# Altium PCB 微断从V2.0.PcbDoc (part 1 of 2) (continued)
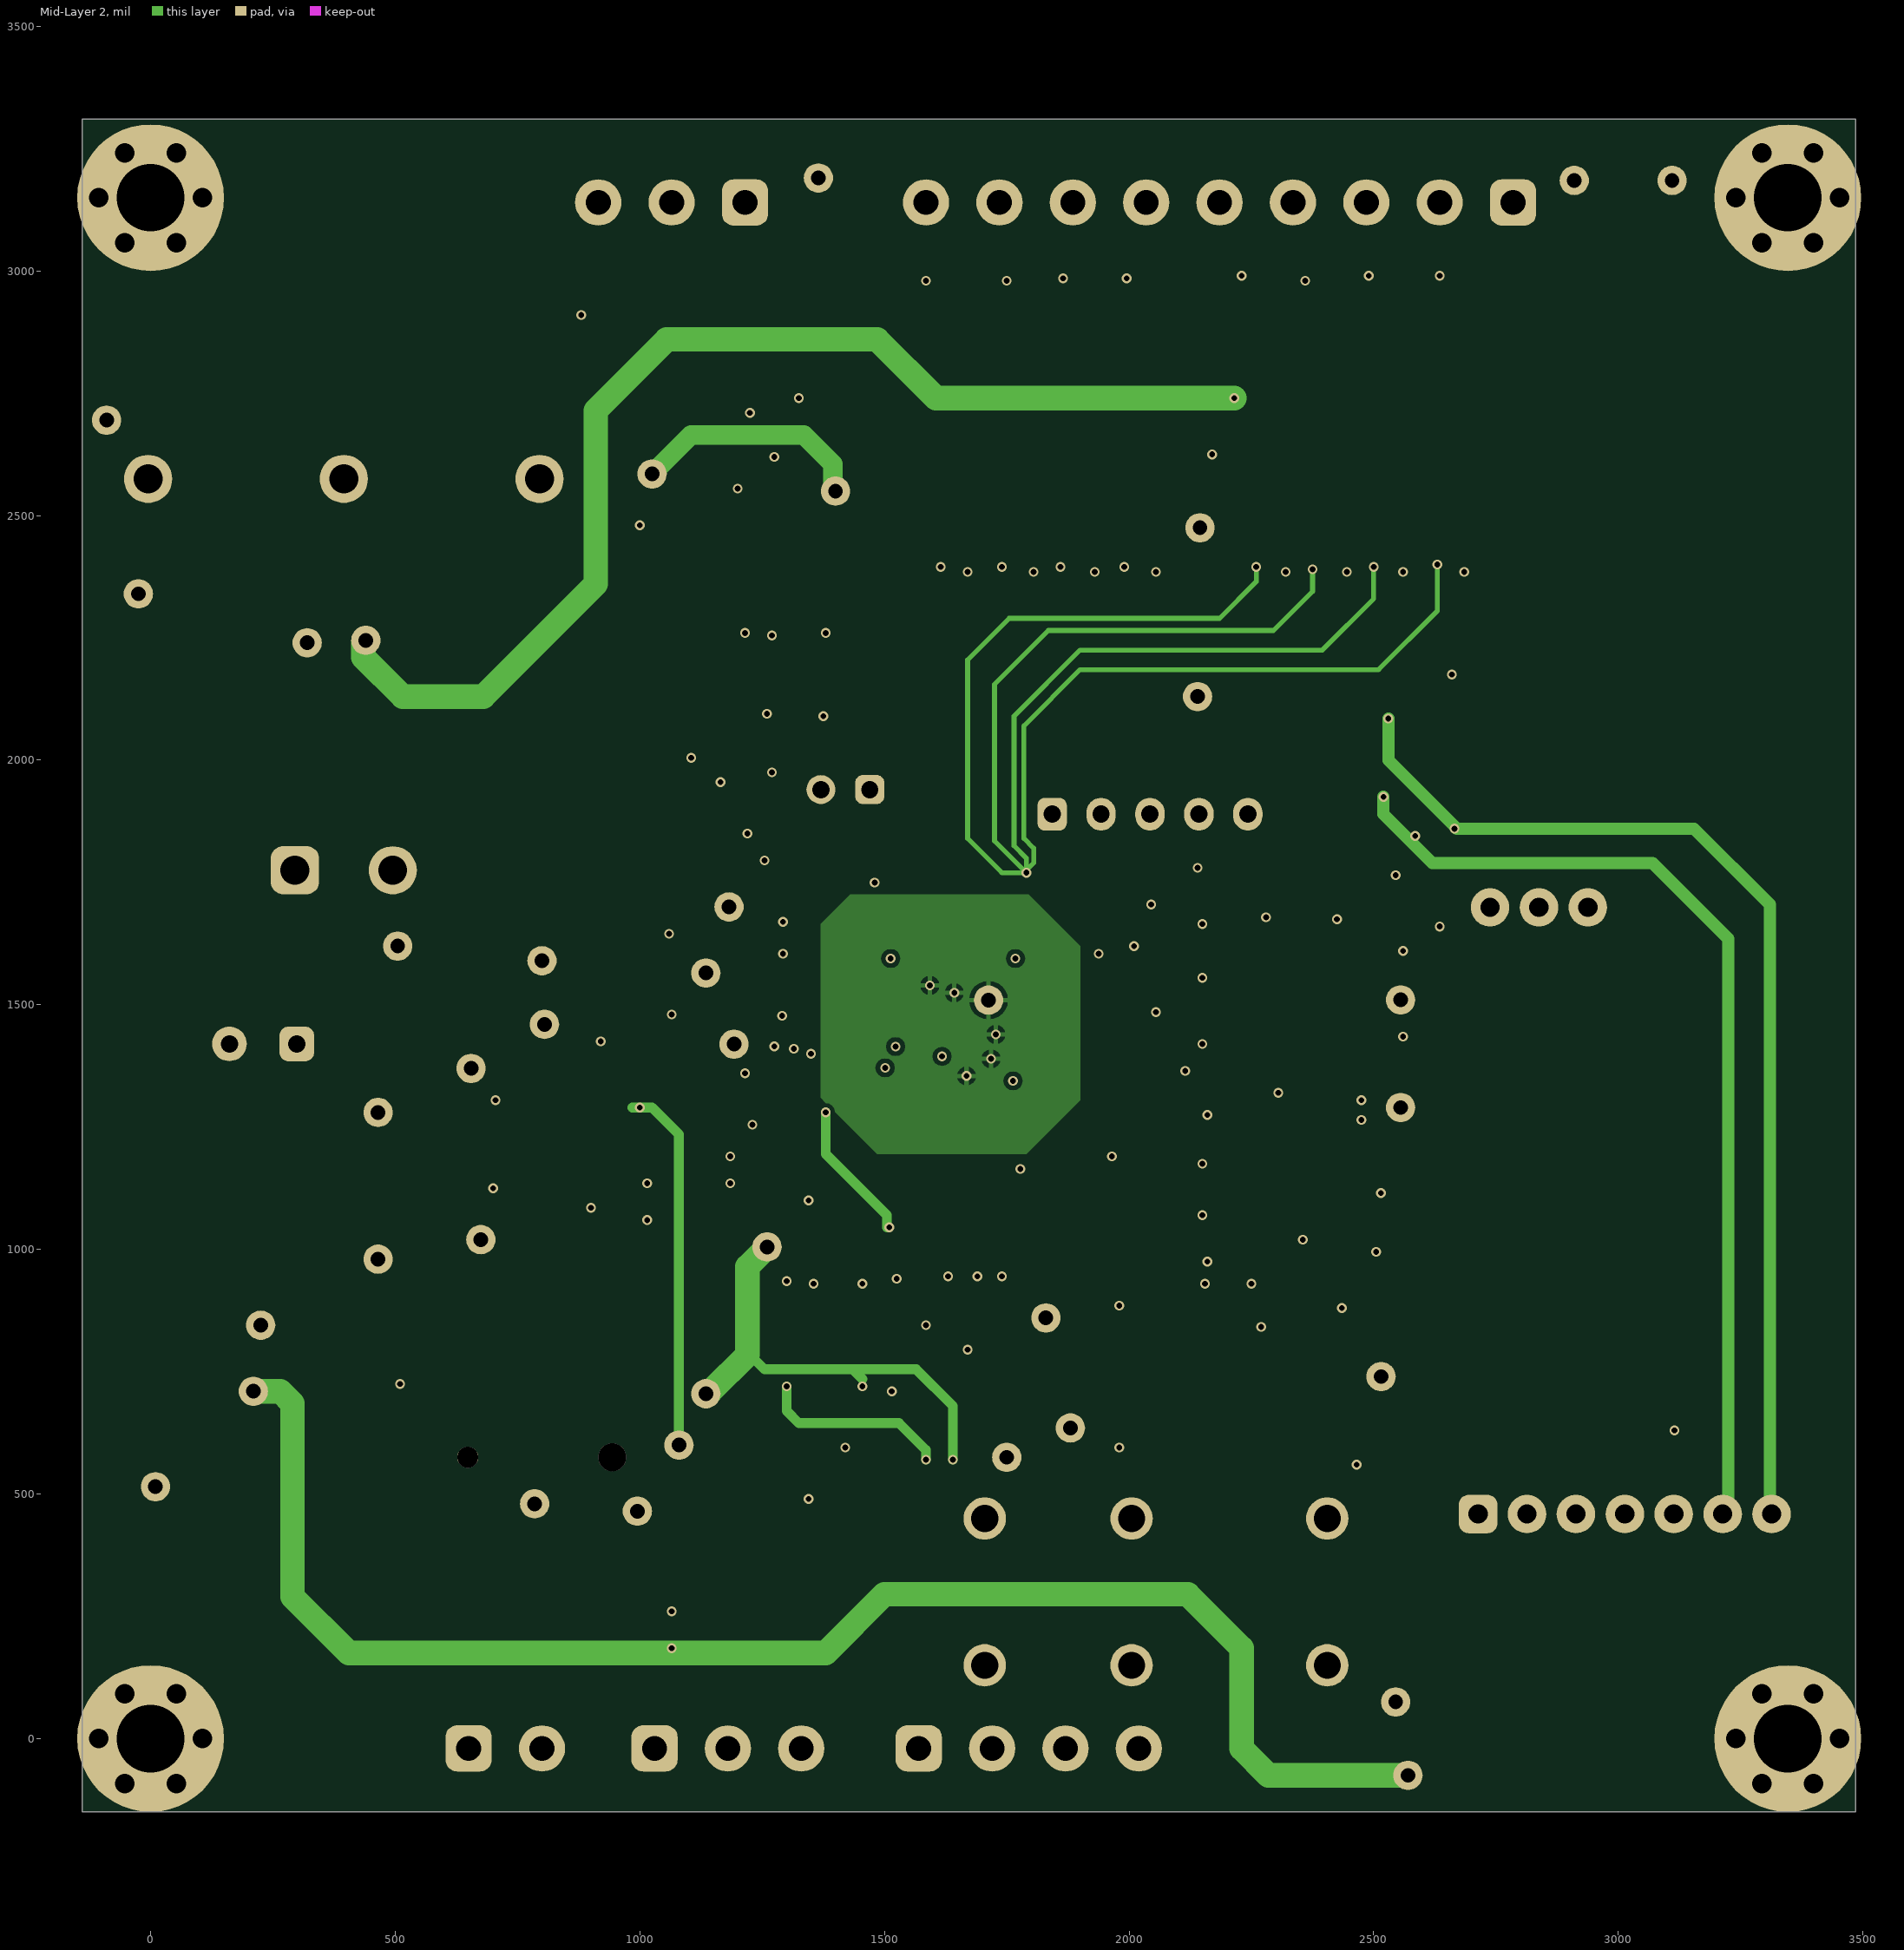
[diagram p3: Mid-Layer 2]

## Layer stack, top to bottom
Top Solder: solder mask 0.4, Solder Resist, Dk 3.5
Top Layer: signal copper 1.4
Dielectric1: core 12.6, FR-4, Dk 4.8
Mid-Layer 1: signal copper 1.4
Dielectric2: prepreg 12.6, FR-4, Dk 4.8
Mid-Layer 2: signal copper 1.4
Dielectric3: core 12.6, FR-4, Dk 4.8
Bottom Layer: signal copper 1.4
Bottom Solder: solder mask 0.4, Solder Resist, Dk 3.5

## Board outline
-140,-150 -140,3310 3485,3310 3485,-150

## Design rules (kind name [scope] priority, off if disabled: settings)
Clearance [All] p1: gap=9 ignorepadtopadclearanceinfootprint=FALSE except(0: Arc-Hole Track-Hole SMDPad-Hole THPad-Hole Via-Hole Fill-Hole Poly-Hole Region-Hole Text-Hole)
ComponentClearance [All] p1 off: gap=10 collisioncheckmode=3 verticalgap=10 showdistances=FALSE
PolygonConnect [All] p1: connectstyle=Relief reliefconductorwidth=10 reliefentries=4 polygonreliefangle="90 Angle" airgapwidth=10
RoutingVias [All] p1: holewidth=28 width=50 viastyle="Through Hole" minholewidth=28 minwidth=50 maxholewidth=28 maxwidth=50
SolderMaskExpansion [All] p1: expansion=4 istentingtop=FALSE
Width [All] p1: maxlimit=100 minlimit=10 preferedwidth=10 minimp=50.000000 maximp=50.000000 favimp=50.000000
29 further rules are at their usual default settings.

## Components (designator, comment, footprint, x,y, rotation, side; value= is the part's Value field where it differs from the comment)
BAT1 "BATT/CR1220/3V" CR1220_A 790,575 r0 top locked
C1 "10uf" 0805-C 1030,790 r270 bottom
C2 "100nf" 0603-C 1100,785 r270 bottom
C3 "10uf" 0805-C 285,790 r270 bottom
C4 "100nf" 0603-C 385,2330 r180 bottom
C5 "20pf" 0603-C 1195,1504.53 r270 bottom value=100nf
C6 "10uf" 0805-C 1587.75,1434.53 r90 bottom
C7 "10uf" 0805-C 1370,785 r0 top
C8 "100nf" 0603-C 1375,710 r0 top
C9 "10uf" 0805-C 2905,2535 r180 bottom
C10 "10uf" 0805-C 2630,1820 r0 bottom
C11 "100nf" 0603-C 2620,1870 r0 bottom
C12 "100nf" 0603-C 2900,2590 r180 bottom
C13 "10uf" 0805-C 2570,2045 r90 bottom
C14 "22uf" "CD B(3528)" 385,2435 r180 bottom value=22uF
C15 "220uf/50V" "CAP 3.5*8*11.5 - BK" 230,1420 r180 top value=1000uF
C16 "100nf" 0603-C 3265,370 r0 bottom
C17 "100nf" 0603-C 2665,2880 r180 top
C18 "100nf" 0603-C 1807.75,1254.53 r270 bottom
C19 "10uf" 0805-C 940,1395 r180 bottom
C20 "100nf" 0603-C 2650,2410 r0 top
C21 "10uf" 0805-C 2192.75,1959.53 r180 bottom
C22 "100nf" 0603-C 2535,2880 r180 top
C23 "100nf" 0603-C 2385,860 r180 bottom
C24 "100nf/50V" 0603-C 385,1695 r180 bottom
C25 "10uf" 0805-C 2495,490 r90 bottom
C26 "100nf" 0603-C 1953.46,750 r90 bottom
C27 "100nf" 0603-C 2520,2410 r0 top
C28 "100nf" 0603-C 2415,2880 r180 top
C29 "100nf" 0603-C 2400,2410 r0 top
C30 "100nf" 0603-C 2280,2880 r180 top
C31 "100nf" 0603-C 2280,2410 r0 top
C32 "100nf" 0603-C 2015,2880 r180 top
C33 "100nf" 0603-C 2197.75,1829.53 r180 bottom
C34 "100nf" 0603-C 1347.75,1589.53 r0 bottom
C35 "100nf" 0603-C 2010,2410 r0 top
C36 "100nf" 0603-C 1885,2880 r180 top
C37 "20pf" 0603-C 1195,1619.53 r90 bottom value=100nf
C38 "100nf" 0603-C 1470,1140 r180 top
C39 "1nf" 0603-C 1472.75,1394.53 r90 bottom value=100nf
C40 "100nf" 0603-C 1885,2410 r0 top
C41 "100nf" 0603-C 1765,2880 r180 top
C42 "100nf" 0603-C 1537.75,1679.53 r90 bottom
C43 "10uf" 0805-C 1467.75,1674.53 r90 bottom
C44 "100nf" 0603-C 1852.75,1559.53 r0 bottom
C45 "10uf" 0805-C 1837.75,1614.53 r0 bottom
C46 "10uf" 0805-C 1752.75,1254.53 r270 bottom
C47 "100nf" 0603-C 950,1450 r180 bottom
C48 "100nf" 0603-C 1767.75,1144.53 r0 top
C49 "10uf" 0805-C 2300,1134.21 r270 bottom
C50 "100nf" 0603-C 2365,1149.53 r270 bottom
C51 "100nf" 0603-C 1760,2410 r0 top
C52 "100nf" 0603-C 1640,2880 r180 top
C53 "100nf" 0603-C 1635,2410 r0 top
C54 "10uf" 0805-C 930,1195 r270 bottom
C55 "100nf" 0603-C 1000,1205 r270 bottom
C56 "10uf" 0805-C 1615,605 r0 bottom
C57 "100nf" 0603-C 1610,655 r0 bottom
C58 "10uf" 0805-C 730,1215 r270 bottom
C59 "10uf" 0805-C 3265,540 r0 bottom
C60 "100nf" 0603-C 665,1215 r270 bottom
C61 "10uf" 0805-C 2255,2685 r270 bottom
C62 "100nf" 0603-C 2325,2685 r270 bottom
C63 "10uf" 0805-C 2575,10 r0 top
C64 "100nf" 0603-C 2580,130 r0 top
C65 "100nf" 0603-C 2635,2045 r90 bottom
C66 "10uf" 0805-C 2315,1524.53 r90 bottom
C67 "100nf" 0603-C 2378.74,1529.53 r90 bottom
c68 "10uf" 0805-C 1730,2220 r270 bottom (schematic designator C68)
c69 "100nf" 0603-C 1675,2205 r90 bottom (schematic designator C69)
C71 "100nf" 0603-C 2685,2205 r270 bottom
C72 "10uf" 0805-C 2625,2230 r270 bottom
C73 "100nf" 0603-C 1995,1125 r90 bottom
C74 "10uf" 0805-C 1285,2530 r0 bottom
C75 "100nf" 0603-C 1285,2470 r0 bottom
C76 "10uf" 0805-C 1935,1105 r90 bottom
C77 "10uf" 0805-C 1815,1090 r270 bottom
C78 "100nf" 0603-C 1580,1085 r270 bottom
C80 "100nf" 0603-C 1040,2455 r180 bottom
C81 "10uf" 0805-C 1045,2505 r180 bottom
C82 "100nf" 0603-C 1060,1080 r180 bottom
C83 "10uf" 0805-C 1075,1030 r180 bottom
C84 "10uf" 0805-C 1450,2130 r0 bottom
C85 "100nf" 0603-C 1435,2195 r0 bottom
C86 "10uf" 0805-C 1095,215 r90 bottom
C87 "100nf" 0603-C 1045,225 r90 bottom
D4 "SS14" SMA/DO-214AC 110,525 r90 bottom
J1 "15EDG3.81-WI-2P" 15EDG3.81-WI-2P 725,-20 r0 top locked
J2 "XH2.54-LI-5P" XH2.54-LI-5P 2042.75,1889.53 r0 top locked
J3 "15EDG3.81-WI-3P" 15EDG3.81-WI-3P 1065,3140 r180 top locked
J5 "15EDG3.81-WI-3P" 15EDG3.81-WI-3P 1180,-20 r0 top locked
J6 "15EDG3.81-WI-4P" 15EDG3.81-WI-4P 1795,-20 r0 top locked
J7 "排针1*2P" HDR2X1_A 1470,1940 r180 top
J8 "15EDG3.81-WI-9P" 15EDG3.81-WI-9P 2185,3140 r180 top locked
LED5 "LED0603,黄绿" 0603-LED-G 1030,2120 r180 top
PC4 "LED0603,黄绿" 0603-LED-G 1860,990 r180 top
PC5 "LED0603,黄绿" 0603-LED-G 1860,1060 r180 top
Q1 "DSP2a-DC5V" DSP2a-DC5V 2405,450 r180 top locked
R1 "1K" 0603-R 1120,2065 r270 top
R2 "10K" 0603-R 1312.75,1624.53 r90 top value=2.2K
R3 "100R" 0603-R 1647.75,1889.53 r180 bottom value=2.2K
R4 "10K" 0603-R 1942.75,1989.53 r270 bottom value=2.2K
R5 "10K" 0603-R 2042.75,1989.53 r270 bottom value=2.2K
R6 "10K" 0603-R 1410,1835 r225 bottom value=2.2K
R7 "10K" 0603-R 1315,1010 r270 top
R8 "10K" 0603-R 1375,1010 r270 top
R9 "10K" 0603-R 2130,1655 r0 bottom value=2.2K
R10 "3.3K" 0603-R 1330,2605 r0 bottom
R11 "1K" 0603-R 1995,1140 r90 top
R12 "1K" 0603-R 1940,1140 r90 top
R13 "10K" 0603-R 1445,1010 r270 top
R14 "3.3K" 0603-R 1270,2725 r0 bottom
R15 "10R" 0603-R 1315,2795 r270 top
R16 "3.3K" 0603-R 1365,580 r0 top
R17 "10R" 0603-R 1410,425 r90 bottom
R18 "10K" 0603-R 2130,1540 r0 bottom value=2.2K
R19 "10K" 0603-R 2105,1435 r0 bottom value=2.2K
R21 "10R" 0603-R 1260,2795 r270 top
R22 "27K" 0603-R 1290,2605 r0 top value=24K
R23 "10K" 0603-R 2130,1160 r0 bottom value=2.2K
R24 "10K" 0603-R 2130,1055 r0 bottom value=2.2K
R25 "10K" 0603-R 3015,560 r90 bottom value=2.2K
R26 "10K" 0603-R 3080,665 r180 bottom value=2.2K
R27 "10K" 0603-R 2715,565 r90 bottom value=2.2K
R28 "10K" 0603-R 2815,565 r90 bottom value=2.2K
R29 "100R" 0603-R 3115,560 r90 bottom value=2.2K
R30 "2.2k" 0603-R 2715,2975 r90 top value=2.2K
R31 "27K" 0603-R 1380,570 r0 bottom value=24K
R32 "10K" 0603-R 2685,2320 r90 bottom value=2.2K
R33 "2.2k" 0603-R 2635,2975 r90 top value=2.2K
R34 "10K" 0603-R 1230,2210 r90 bottom
R35 "10K" 0603-R 1290,2210 r90 bottom
R36 "10K" 0603-R 1360,2210 r90 bottom
R37 "2.2k" 0603-R 2570,2975 r90 top value=2.2K
R38 "10K" 0603-R 2560,2320 r90 bottom value=2.2K
R39 "2.2K" 0603-R 2500,2975 r90 top
R40 "10R" 0603-R 1355,425 r90 bottom
R41 "3.3K" 0603-R 1375,510 r0 top
R42 "10K" 0603-R 2130,1255 r0 bottom value=2.2K
R43 "10K" 0603-R 2385,905 r180 bottom value=2.2K
R44 "2.2k" 0603-R 2450,2975 r90 top value=2.2K
R45 "10K" 0603-R 2440,2320 r90 bottom value=2.2K
R46 "2.2k" 0603-R 2380,2960 r90 top value=2.2K
R47 "2.2k" 0603-R 2315,2975 r90 top value=2.2K
R48 "10K" 0603-R 2320,2320 r90 bottom value=2.2K
R49 "2.2k" 0603-R 2245,2970 r90 top value=2.2K
R50 "2.2k" 0603-R 2050,2965 r90 top value=2.2K
R51 "10K" 0603-R 2055,2320 r90 bottom value=2.2K
R52 "2.2k" 0603-R 1980,2965 r90 top value=2.2K
R53 "2.2k" 0603-R 1920,2965 r90 top value=2.2K
R54 "10K" 0603-R 1930,2320 r90 bottom value=2.2K
R55 "2.2k" 0603-R 1850,2965 r90 top value=2.2K
R56 "2.2k" 0603-R 1800,2965 r90 top value=2.2K
R57 "10K" 0603-R 1805,2320 r90 bottom value=2.2K
R58 "2.2k" 0603-R 1730,2960 r90 top value=2.2K
R59 "2.2k" 0603-R 1675,2965 r90 top value=2.2K
R60 "10K" 0603-R 1675,2320 r90 bottom value=2.2K
R61 "2.2k" 0603-R 1605,2955 r90 top value=2.2K
R62 "10K" 0603-R 1275,1275 r180 bottom value=2.2K
R63 "10K" 0603-R 1235,1205 r180 bottom value=2.2K
R64 "10K" 0603-R 1580,750 r270 bottom value=2.2K
R65 "10K" 0603-R 1235,1145 r180 bottom value=2.2K
R66 "10K" 0603-R 1550,525 r180 top value=2.2K
R67 "10K" 0603-R 1535,1010 r270 bottom
R68 "10K" 0603-R 1625,1015 r270 bottom
R69 "10K" 0603-R 1690,1010 r270 bottom
R70 "10K" 0603-R 1750,1010 r270 bottom
T1 "M3固定孔" M3_N 3346.46,0 r0 top locked
T2 "M3固定孔" M3_N 3346.46,3149.61 r0 top locked
T3 "M3固定孔" M3_N 0,3149.61 r0 top locked
T4 "M3固定孔" M3_N 0,0 r0 top locked
U1 "HC32F460KETA" LQFP-64 1637.75,1459.53 r0 top locked
U2 "LM1117-3.3V" SOT223 815,850 r90 bottom
U3 "GTL-GRA2405S-6" GTL-GRA 395,2175 r90 top locked
U4 "SP3485EEN" SOIC-8 1290,2410 r90 top locked
U5 "74HC14M/TR" SOIC-14 2300,1509.53 r180 top
U6 "WH-L102-L" WH-L102-L_Lib_V1.0 2600,400 r0 top locked
U7 "74HC14M/TR" SOIC-14 2300,1114.53 r0 top
U8 "LM1117-3.3V" SOT223 2915,2330 r0 bottom
U9 "LTV-247" SOIC-16-9.1mm 2475,2650 r270 top locked
U10 "LTV-247" SOIC-16-9.1mm 1835,2652.8 r270 top locked
U11 "DS1302ZM/TR" SOIC-8 855.51,1210 r0 top
U12 "SP3485EEN" SOIC-8 1380,780 r270 bottom
U13 "ULN2003" SOIC-16 2170,740 r270 top
U14 "AT45DB321E-SHF-T" SOIC-8-208mil 1610,755 r180 top
X1 "8MHz" "OSC HC-49SMD" 1135,1559.53 r90 top
X2 "32.768kHz" "OSC HC-49SMD" 550,1280 r90 top
Z1 "磁珠1206/SCBG321609U600T" 1206-R-RP 1657.75,1514.53 r90 bottom value=磁珠1206
Z2 "磁珠1206/SCBG321609U600T" 1206-R-RP 1457.75,1509.53 r180 bottom value=磁珠1206
Z3 "磁珠1206/SCBG321609U600T" 1206-R-RP 415,845 r0 bottom value=磁珠1206
Z4 "磁珠1206/SCBG321609U600T" 1206-R-RP 415,705 r0 bottom value=磁珠1206
Z5 "磁珠1206/SCBG321609U600T" 1206-R-RP 2050,920 r180 bottom value=磁珠1206
Z6 "磁珠1206/SCBG321609U600T" 1206-R-RP 2750,2740 r0 bottom value=磁珠1206
Z7 "磁珠1206/SCBG321609U600T" 1206-R-RP 2670,2625 r0 bottom value=磁珠1206
Z8 "磁珠1206/SCBG321609U600T" 1206-R-RP 2015,1365 r0 bottom value=磁珠1206
Z9 "磁珠1206/SCBG321609U600T" 1206-R-RP 2545,270 r90 bottom value=磁珠1206
Z10 "磁珠1206/SCBG321609U600T" 1206-R-RP 2620,270 r90 top value=磁珠1206
Z11 "磁珠1206/SCBG321609U600T" 1206-R-RP 2635,2985 r270 bottom value=磁珠1206
Z12 "磁珠1206/SCBG321609U600T" 1206-R-RP 2485,2985 r270 bottom value=磁珠1206
Z13 "磁珠1206/SCBG321609U600T" 1206-R-RP 2335,2985 r270 bottom value=磁珠1206
Z14 "磁珠1206/SCBG321609U600T" 1206-R-RP 2185,2980 r270 bottom value=磁珠1206
Z15 "磁珠1206/SCBG321609U600T" 1206-R-RP 2035,2980 r270 bottom value=磁珠1206
Z16 "磁珠1206/SCBG321609U600T" 1206-R-RP 1885,2980 r270 bottom value=磁珠1206
Z17 "磁珠1206/SCBG321609U600T" 1206-R-RP 1735,2980 r270 bottom value=磁珠1206
Z18 "磁珠1206/SCBG321609U600T" 1206-R-RP 1585,2980 r270 bottom value=磁珠1206

## Footprints (in the part's own frame and the unit in brackets; to place one, negate y for a bottom-side part, rotate by r counter-clockwise, add the part's x,y. Pads: shape width x height; smd on the part's side, far side on the other; paste and mask are expansions set on the pad)
15EDG3.81-WI-2P [mm] "弯针"
  rrect50% 2.4x2.4 hole 1.3: 1(-1.905,0)
  round 2.4 hole 1.3: 2(1.905,0)
  silkscreen extent -4.44,-7.49 4.44,1.65
15EDG3.81-WI-3P [mm] "弯针"
  rrect50% 2.4x2.4 hole 1.3: 1(-3.81,0)
  round 2.4 hole 1.3: 2(0,0) 3(3.81,0)
  silkscreen extent -6.35,-7.49 6.35,1.65
15EDG3.81-WI-4P [mm] "弯针"
  rrect50% 2.4x2.4 hole 1.3: 1(-5.715,0)
  round 2.4 hole 1.3: 2(-1.905,0) 3(1.905,0) 4(5.715,0)
  silkscreen extent -8.25,-7.49 8.25,1.65
15EDG3.81-WI-9P [mm] "弯针"
  rrect50% 2.4x2.4 hole 1.3: 1(-15.24,0)
  round 2.4 hole 1.3: 2(-11.43,0) 3(-7.62,0) 4(-3.81,0) 5(0,0) 6(3.81,0) 7(7.62,0) 8(11.43,0) 9(15.24,0)
  silkscreen extent -17.78,-7.49 17.78,1.65
0603-C [mm]
  oct 0.8x0.9 smd: 1(-0.889,0) 2(0.889,0)
  body extent -0.8,-0.41 0.8,0.41, height 0.81
0603-LED-G [mm]
  oct 0.8x0.9 smd: 1(-0.889,0) 2(0.889,0)
  silkscreen extent 0.25,-0.64 0.25,0.64, body extent -0.8,-0.4 0.8,0.4, height 0.61
0603-R [mm] "1/10W贴片电阻"
  oct 0.8x0.9 smd: 1(-0.889,0) 2(0.889,0)
  body extent -0.8,-0.4 0.8,0.4, height 0.4
0805-C [mil]
  oct 60x50 smd: 1(-45,0) 2(45,0)
  body extent -39,-24 39,24, height 20
1206-R-RP [mil] "1/4W高精度贴片电阻"
  oct 60x60 smd: 1(-70,0) 2(70,0)
  body extent -63,-31 63,32, height 22
"CAP 3.5*8*11.5 - BK" [mm] "脚距3.5mm直径8mm高度11.5mm"
  rrect50% 1.8x1.8 hole 0.9: 1(-1.75,0)
  round 1.8 hole 0.9: 2(1.75,0)
  silkscreen extent -4.2,-4.2 4.5,4.2, body extent -4,-4 4.01,4, height 11.54
"CD B(3528)" [mil] "长3.5mm，宽2.8mm，厚1.9mm"
  rrect50% 75x90 smd: 1(-70.87,-0.01) 2(70.86,-0.01)
  silkscreen extent -130,-60 120,60, body extent -69,-55 69,55, height 75
CR1220_A [mm] "纽扣电池座"
  round 1.1 hole 1.1: 0(-3.6,0)
  round 1.45 hole 1.45: 0(3.9,0)
  rrect50% 4x2.5 smd: 1(9.652,0) 2(-8.458,0)
  silkscreen extent -7.5,-7.5 10.16,7.5, body extent -9.42,-7.45 10.34,7.45, height 4.05
DSP2a-DC5V [mm]
  round 2.2 hole 1.4: 1(0,0) 5(10.16,0) 8(17.78,0) 9(17.78,7.62) 12(10.16,7.62) 16(0,7.62)
  silkscreen extent -1.22,-1.64 19,9.37
GTL-GRA [mm] "GRAxxxxS(D)-6系列 DC-DC电源模块"
  rrect50% 2.5x2.5 hole 1.5: 1(-10.16,2.54)
  round 2.5 hole 1.5: 2(-10.16,-2.54) 3(10.16,-10.16) 4(10.16,0) 5(10.16,10.16)
  silkscreen extent -12.7,-12.7 12.7,12.7
HDR2X1_A [mm] "Connector; Header; 2 Position"
  rrect50% 1.5x1.5 hole 0.9: 1(0,0)
  round 1.5 hole 0.9: 2(2.54,0)
  silkscreen extent -1.27,-1.27 3.81,1.27, body extent -1.27,-1.27 3.81,1.27, height 8.5
LQFP-64 [mm] "LQFP"
  oval 2.1x0.25 smd: 1(-5.6,3.75) 2(-5.6,3.25) 3(-5.6,2.75) 4(-5.6,2.25) 5(-5.6,1.75) 6(-5.6,1.25) 7(-5.6,0.75) 8(-5.6,0.25) 9(-5.6,-0.25) 10(-5.6,-0.75) 11(-5.6,-1.25) 12(-5.6,-1.75) 13(-5.6,-2.25) 14(-5.6,-2.75) 15(-5.6,-3.25) 16(-5.6,-3.75) 33(5.6,-3.75) 34(5.6,-3.25) 35(5.6,-2.75) 36(5.6,-2.25) 37(5.6,-1.75) 38(5.6,-1.25) 39(5.6,-0.75) 40(5.6,-0.25) 41(5.6,0.25) 42(5.6,0.75) 43(5.6,1.25) 44(5.6,1.75) 45(5.6,2.25) 46(5.6,2.75) 47(5.6,3.25) 48(5.6,3.75)
  oval 0.25x2.1 smd: 17(-3.75,-5.6) 18(-3.25,-5.6) 19(-2.75,-5.6) 20(-2.25,-5.6) 21(-1.75,-5.6) 22(-1.25,-5.6) 23(-0.75,-5.6) 24(-0.25,-5.6) 25(0.25,-5.6) 26(0.75,-5.6) 27(1.25,-5.6) 28(1.75,-5.6) 29(2.25,-5.6) 30(2.75,-5.6) 31(3.25,-5.6) 32(3.75,-5.6) 49(3.75,5.6) 50(3.25,5.6) 51(2.75,5.6) 52(2.25,5.6) 53(1.75,5.6) 54(1.25,5.6) 55(0.75,5.6) 56(0.25,5.6) 57(-0.25,5.6) 58(-0.75,5.6) 59(-1.25,5.6) 60(-1.75,5.6) 61(-2.25,5.6) 62(-2.75,5.6) 63(-3.25,5.6) 64(-3.75,5.6)
  silkscreen extent -5.72,-4.15 4.15,4.57, body extent -5,-5 5,5, height 1.6
M3_N [mil] "M3螺丝固定孔"
  round 40 hole 40: 1(-106,0) 1(-53,-91.8) 1(-53,91.8) 1(53,-91.8) 1(53,91.8) 1(106,0)
  round 300 hole 137.8: 1(0,0)
  silkscreen extent -157,-157 157,157, body extent -106,-93 106,93, height 159
"OSC HC-49SMD" [mm]
  rrect50% 5x2 smd: 1(-4.75,0) 2(4.75,0)
  silkscreen extent -5.7,-2.4 5.7,2.4, body extent -6.5,-2.32 6.5,2.32, height 4.63
SMA/DO-214AC [mm]
  rrect50% 2.2x1.75 smd: 1(-2.3,0) 2(2.3,0)
  silkscreen extent -2.7,-1.52 3.56,1.52, body extent -2.53,-1.3 2.57,1.3, height 2.15
SOIC-8 [mm]
  oval 2.2x0.6 smd: 1(-2.654,1.905) 2(-2.654,0.635) 3(-2.654,-0.635) 4(-2.654,-1.905) 5(2.654,-1.905) 6(2.654,-0.635) 7(2.654,0.635) 8(2.654,1.905)
  silkscreen extent -2.52,-2.5 0.9,2.88, body extent -3,-2.45 3,2.45, height 1.7
SOIC-8-208mil [mm]
  oval 0.63x2.25 smd: 1(-1.905,-3.53) 2(-0.635,-3.53) 3(0.635,-3.53) 4(1.905,-3.53) 5(1.905,3.53) 6(0.635,3.53) 7(-0.635,3.53) 8(-1.905,3.53)
  silkscreen extent -2.82,-3.68 2.64,2.18
SOIC-14 [mm] "SOP, 14-Leads,"
  oval 2.2x0.6 smd: 1(-2.552,3.81) 2(-2.552,2.54) 3(-2.552,1.27) 4(-2.552,0) 5(-2.552,-1.27) 6(-2.552,-2.54) 7(-2.552,-3.81) 8(2.552,-3.81) 9(2.552,-2.54) 10(2.552,-1.27) 11(2.552,0) 12(2.552,1.27) 13(2.552,2.54) 14(2.552,3.81)
  silkscreen extent -2.55,-4.3 0.93,4.78, body extent -3,-4.35 2.99,4.35, height 1.55
SOIC-16 [mm]
  oval 2.5x0.7 smd: 1(-2.577,4.445) 2(-2.577,3.175) 3(-2.577,1.905) 4(-2.577,0.635) 5(-2.577,-0.635) 6(-2.577,-1.905) 7(-2.577,-3.175) 8(-2.577,-4.445) 9(2.577,-4.445) 10(2.577,-3.175) 11(2.577,-1.905) 12(2.577,-0.635) 13(2.577,0.635) 14(2.577,1.905) 15(2.577,3.175) 16(2.577,4.445)
  silkscreen extent -2.57,-5 0.8,5.47, body extent -2.88,-4.92 2.92,4.88, height 1.75
SOIC-16-9.1mm [mm]
  oval 2.4x0.6 smd: 1(-3.5,4.445) 2(-3.5,3.175) 3(-3.5,1.905) 4(-3.5,0.635) 5(-3.5,-0.635) 6(-3.5,-1.905) 7(-3.5,-3.175) 8(-3.5,-4.445) 9(3.5,-4.445) 10(3.5,-3.175) 11(3.5,-1.905) 12(3.5,-0.635) 13(3.5,0.635) 14(3.5,1.905) 15(3.5,3.175) 16(3.5,4.445)
  silkscreen extent -3.43,-4.83 1.27,5.84, body extent -2.9,-4.9 2.9,4.9, height 1.75
SOT223 [mm]
  rrect50% 1.1x1.55 smd: 1(-2.3,-3.375) 2(0,-3.375) 3(2.3,-3.375)
  rrect50% 3.45x1.55 smd: 4(0,3.375)
  silkscreen extent -3.5,-3.48 3.35,1.85, body extent -3.25,-3.48 3.25,3.48, height 1.7
WH-L102-L_Lib_V1.0 [mm]
  rrect50% 2x2 hole 1: 1(2.88,1.5)
  round 2 hole 1: 2(5.42,1.5) 3(7.96,1.5) 4(10.5,1.5) 5(13.04,1.5) 6(15.58,1.5) 7(18.12,1.5) 8(8.58,33) 9(6.04,33) 10(3.5,33)
  silkscreen extent 0,-1.27 21,45.97
XH2.54-LI-5P [mm] "接插件，5P"
  rrect50% 1.524x1.7 hole 0.9: 1(-5.08,0)
  oval 1.524x1.7 hole 0.9: 2(-2.54,0) 3(0,0) 4(2.54,0) 5(5.08,0)
  silkscreen extent -7.48,-3.45 7.52,2.49, body extent -7.58,-3.3 7.58,2.4, height 7.03

## Part data
BAT1: library part BAT, "CR1220/3V电池及座"
C1 C2 C3 C4 C5 C6 C7 C8 C9 C10 C11 C12 C13 C16 C17 C18 C19 C20 C21 C22 C23 C24 C25 C26 C27 C28 C29 C30 C31 C32 C33 C34 C35 C36 C37 C38 C39 C40 C41 C42 C43 C44 C45 C46 C47 C48 C49 C50 C51 C52 C53 C54 C55 C56 C57 C58 C59 C60 C61 C62 C63 C64 C65 C66 C67 c68 c69 C71 C72 C73 C74 C75 C76 C77 C78 C80 C81 C82 C83 C84 C85 C86 C87: library part Cap-S, "贴片瓷片电容", LatestRevisionDate=17-Jul-2002, LatestRevisionNote="Re-released for DXP Platform.", PackageReference=RAD-0.3, Published=8-Jun-2000, Publisher="Altium Limited"
C14 C15: library part Cap-Pol-ER, "插件电解电容", LatestRevisionDate=17-Jul-2002, LatestRevisionNote="Re-released for DXP Platform.", PackageReference=RB7.6-15, Published=8-Jun-2000, Publisher="Altium Limited"
  C14: Vol=20V
  C15: Vol=25V
D4: library part Diode2, "肖特基二极管", PackageDocument=Sep-1996, Code_JEDEC=DO-214-AB, LatestRevisionDate=17-Jul-2002, LatestRevisionNote="Re-released for DXP Platform.", PackageReference=SMC, Published=8-Jun-2000, Publisher="Altium Limited"
J1 J7: library part "Header 2", "接插件", LatestRevisionDate=17-Jul-2002, LatestRevisionNote="Re-released for DXP Platform.", Publisher="Altium Limited"
J2: library part "Header 5", "接插件", LatestRevisionDate=17-Jul-2002, LatestRevisionNote="Re-released for DXP Platform.", Publisher="Altium Limited"
J3 J5: library part "Header 3", "接插件", LatestRevisionDate=17-Jul-2002, LatestRevisionNote="Re-released for DXP Platform.", Publisher="Altium Limited"
J6: library part "Header 4", "接插件", LatestRevisionDate=17-Jul-2002, LatestRevisionNote="Re-released for DXP Platform.", Publisher="Altium Limited"
J8: library part "Header 9", "Header, 9-Pin", LatestRevisionDate=17-Jul-2002, LatestRevisionNote="Re-released for DXP Platform.", Publisher="Altium Limited"
LED5 PC4 PC5: library part LED, "发光二极管", LatestRevisionDate=08-Jul-2005, LatestRevisionNote="Mech Layer 1 removed.", PackageReference=LED-0, Published=8-Jun-2000, Publisher="Altium Limited"
Q1: "松下继电器"
R1 R2 R3 R4 R5 R6 R7 R8 R9 R11 R12 R13 R18 R19 R23 R24 R25 R26 R27 R28 R29 R30 R32 R33 R34 R35 R36 R37 R38 R39 R42 R43 R44 R45 R46 R47 R48 R49 R50 R51 R52 R53 R54 R55 R56 R57 R58 R59 R60 R61 R62 R63 R64 R65 R66 R67 R68 R69 R70: library part Res1, "贴片电阻", LatestRevisionDate=17-Jul-2002, LatestRevisionNote="Re-released for DXP Platform.", PackageReference=AXIAL-0.4, Published=8-Jun-2000, Publisher="Altium Limited"
R10 R14 R15 R16 R17 R21 R22 R31 R40 R41: library part Res2, "Resistor", LatestRevisionDate=17-Jul-2002, LatestRevisionNote="Re-released for DXP Platform.", PackageReference=AXIAL-0.4, Published=8-Jun-2000, Publisher="Altium Limited"
T1 T2 T3 T4: library part something_1, "自选封装"
U2 U8: library part AMS1117, "3.3V稳压芯片"
U3: library part GTL-GRA, "冠图电子电源模块"
U4 U12: library part MAX3082
U5 U7: library part 74HC14, "反相器"
U9 U10: library part TLP521_4, "光耦", DatasheetDocument=Nov-2003, LatestRevisionDate=04-Mar-2005, LatestRevisionNote="Sch pins 3 & 4 Swapped.", PackageReference=DIP-4, Published=24-Mar-1999, Publisher="Altium Limited"
U11: JLCPCB Part Class="Extended Part", Manufacturer=HGSEMI(华冠), Add into BOM=yes, Convert to PCB=yes, Datasheet=https://atta.szlcsc.com/upload/public/pdf/source/20201111/C910859_921CCC6706070F058354C83BA711E7C3.pdf, Device=DS1302ZM/TR, LCSC Part Name=DS1302ZM/TR, Manufacturer Part=DS1302ZM/TR, Supplier=LCSC, Supplier Footprint=SOP-8, Supplier Part=C910859, Symbol=DS1302ZM
U14: library part AT45DB642D, 型号=AT45DB642D, 封装=SO8-W
X1 X2: library part XTAL-2P, "2脚无源脚晶振", BOM名称=2脚无源脚晶振, 学习资源=www.ooocke.com, 版权归属=源创客
Z1 Z2 Z3 Z4 Z5 Z6 Z7 Z8 Z9 Z10 Z11 Z12 Z13 Z14 Z15 Z16 Z17 Z18: library part Inductor, "电感", Code_IEC=1005, Code_JEITA=0402, LatestRevisionDate=17-Jul-2002, LatestRevisionNote="Re-released for DXP Platform.", PackageReference=0402-A, Published=8-Jun-2000, Publisher="Altium Limited"

## Free pads (board coordinates)
  round 60 hole 30: 0(225,845) 0(785,480) 0(1080,600) 0(1182.25,1700) 1(210,710) 1(995,465) 1(1025,2585) 1(1192.5,1419.53) 2(320,2240) 2(1365,3190) 2(1400,2550) 3(440,2245) 3(2145,2475) 5(1135,705) 6(1260,1005) 11(2555,1510) 12(2555,1290) 13(2545,75) 14(2570,-75) 15(2515,740) 87(1712.75,1509.53) 100(1135,1565) 102(505,1620) 103(675,1020) 104(465,980) 105(465,1280) 106(800,1590) 107(805,1460) 108(655,1370) 109(1830,860) 110(1880,635) 111(1750,575) 112(2140,2130) 114(2910,3185) 115(3110,3185) 116(10,515) 117(-25,2340) 118(-90,2695)

## Via types
v1: diameter 20, hole 12, Top Layer to Bottom Layer, 136 vias

## Nets (pads, with @x,y where several pads share a name; then routed paths per layer and width w, separated by ;. In a path a pad name is that pad's centre, name@x,y a point inside that pad or via, vN(x,y) a via of type N, cw(c..) or ccw(c..) an arc to the next point about the centre after c; other vN are vias at no path point)
3.3V: C1.1 C2.1 C7.1 C8.1 C18.1 C19.1 C21.1 C33.1 C42.1 C43.1 C44.1 C45.1 C46.1 C47.1 C56.1 C57.1 C58.1 C60.1 c68.1 c69.2 C71.1 C72.1 C73.2 C74.1 C75.1 C76.2 C77.2 C78.2 C80.1 C81.1 C82.1 C83.1 C84.1 C85.1 J2.5 R1.2 R2.2 R4.1 R5.1 R6.2 R7.1 R8.1 R9.1 R11.2 R12.2 R13.1 R14.1 R16.1 R18.1 R19.1 R23.1 R24.1 R32.1 R34.1 R35.1 R36.1 R38.1 R42.1 R45.1 R48.1 R51.1 R54.1 R57.1 R60.1 R62.1 R63.1 R64.2 R65.1 R66.1 R67.1 R68.1 R69.1 R70.1 U1.32 U1.48 U1.64 U2.2 U2.4 U4.8 U11.1 U12.8 U14.6 Z1.2 | length 11769.8
  Top Layer w10: v1(1292.75,1669.53) 1302.75,1659.53 R2.2@1312.75,1659.53 1447.75,1659.53 1490.12,1617.16 ; U1.64@1488.75,1678.64 1488.75,1625.89 1490.12,1624.53 1490.12,1617.16 ; v1(1512.75,1594.53) 1490.12,1617.16 ; v1(1762.75,1344.53) 1785.39,1321.89 U1.32@1785.39,1239.05 U1.32@1785.39,1209.14 ; v1(1767.75,1594.53) 1780.39,1607.16 U1.48@1858.23,1607.16
  Top Layer w12: 705,1295 715,1285 U11.1@751.02,1285 ; v1(1105,2005) 1110,2005 1120,2015 R1.2@1120,2030 ; C7.1@1315,780 1300,765 1300,730 1320,710 C8.1@1340,710 ; R7.1@1315,1045 R8.1@1375,1045 R13.1@1445,1045 v1(1510,1045)
  Top Layer w20: U4.8@1215,2514.49 1215,2695 v1@1225,2705 ; v1(1300,720) 1300,605 R16.1@1325,580 ; R66.1@1585,520 R66.1@1585,525 v1(1585,570) U14.6@1585,616.02 ; R12.2@1930,1175 R12.2@1940,1175 R11.2@1995,1175
  Mid-Layer 2 w20: v1(1300,720) 1300,670 1325,645 1530,645 1585,590 v1(1585,570) ; v1(1380,1280) 1380,1195 1505,1070 v1@1505,1045
  Bottom Layer w10: v1(1200,2555) v1@1205,2550 ; v1(1292.75,1669.53) 1292.75,1717.75 R6.2@1380,1805
  Bottom Layer w12: 1175,2055 1195,2075 1195,2155 1215,2175 R34.1@1230,2175 R35.1@1290,2175 R36.1@1360,2175 1360,2165 C84.1@1380,2145 ; v1@1205,2550 1220,2550 C74.1@1240,2530 1250,2520 C75.1@1250,2470 ; C84.1@1400,2140 C85.1@1400,2195 ; C84.1@1405,2130 C84.1@1405,2140 ; v1(1510,1045) R67.1@1535,1045 R69.1@1690,1045 R70.1@1745,1045 ; c69.2@1675,2235 c69.2@1675,2240 R60.1@1675,2285 ; R60.1@1685,2285 R57.1@1805,2285 R54.1@1930,2285 R51.1@2055,2285 2235,2285 ; R70.1@1750,1045 1800,1045 C77.2@1805,1040 ; C76.2@1945,1160 1945,1170 v1(1965,1190) ; C73.2@1990,1160 1990,1165 v1(1965,1190) ; R24.1@2090,1050 R24.1@2095,1055 R23.1@2095,1160 R42.1@2095,1250 ; R24.1@2095,1045 2085,1035 2060,1035 2045,1050 2045,1160 2015,1190 v1(1965,1190) ; R42.1@2100,1250 R42.1@2100,1255 ; R42.1@2100,1260 2035,1325 2035,1395 2070,1430 R19.1@2070,1435 2095,1460 R18.1@2095,1540 R9.1@2095,1655 2095,1675 2150,1730 2195,1730 2232.75,1767.75 C33.1@2232.75,1829.53 ; 2190,2050 2205,2050 2235,2080 2235,2285 ; C71.1@2685,2240 R32.1@2685,2285 R38.1@2560,2285 R45.1@2440,2285 R48.1@2320,2285 2235,2285
  Bottom Layer w20: C60.1@670,1250 715,1250 720,1255 720,1290 v1(705,1305) ; 705,1320 725,1340 995,1340 ; 1130,860 1155,835 1235,835 1305,765 U12.8@1305,675.51 ; v1(1512.75,1594.53) 1537.75,1619.53 C42.1@1537.75,1644.53 ; C57.1@1575,650 1575,580 v1(1585,570) ; C57.1@1575,655 1575,705 R64.2@1585,715 ; 1777.75,1339.53 1807.75,1309.53 C18.1@1807.75,1289.53 ; C45.1@1792.75,1614.53 1817.75,1589.53 C44.1@1817.75,1559.53 ; 1827.75,2044.53 1832.75,2044.53
  Bottom Layer w30: 1090,1980 1090,2480 1165,2555 v1(1200,2555)
  Bottom Layer w40: U2.2@674.25,850 U2.2@682.13,850 U2.4@947.87,850 1120,850 1130,860 1165,895 1165,1025 ; C43.1@1467.75,1619.53 1492.75,1594.53 v1(1512.75,1594.53) 1747.75,1594.53 1777.75,1564.53 1777.75,1374.53 1718.01,1314.78 1450.9,1314.78 1450.68,1315 1385.95,1315 1275,1204.05 1275,1135 1165,1025 ; 1827.75,2044.53 1827.28,2045 1175,2045 1090,1960 1090,1895 985,1790 C47.1@985,1450 C19.1@985,1395 985,1350 995,1340 1006,1329 1016.15,1329 1080,1265.15 1080,1110 1165,1025 ; 1830,2045 2040,2045 ; 2042.75,2044.53 2212.75,2044.53 2242.75,2014.53 C21.1@2242.75,1959.53 ; J2.5@2237.75,1894.53 C21.1@2237.75,1959.53 ; C33.1@2242.75,1839.53 J2.5@2242.75,1889.53
  other v1: 1225,2710
3.3VU: C10.1 C11.1 C13.1 C16.1 C49.1 C50.1 C59.1 C65.1 C66.1 C67.1 R25.2 R26.2 R27.2 R28.2 U5.14 U6.6 U7.14 U8.2 U8.4 | length 5332.4
  Top Layer w20: U5.14@2199.53,1359.53 2235.47,1359.53 2290,1305 v1(2475,1305) ; U7.14@2400.47,1264.53 v1(2475,1264.53)
  Mid-Layer 2 w25: 2520,1915 v1(2520,1925) 2520,1890 2620,1790 3070,1790 3225,1635 U6.6@3225,475
  Bottom Layer w12: R27.2@2715,600 R28.2@2815,600 3010,600 R25.2@3015,595 3035,615 3035,685 3065,715 3160,715 3215,660 U6.6@3215,475 ; C59.1@3220,540 3220,385 C16.1@3230,375
  Bottom Layer w20: C49.1@2300,1179.21 2359.68,1179.21 C50.1@2365,1184.53 2445,1264.53 v1(2475,1264.53) ; v1(2305,1320) 2355,1370 2355,1485 ; C66.1@2315,1479.53 2330,1494.53 C67.1@2378.74,1494.53
  Bottom Layer w50: v1(2475,1264.53) v1(2475,1305) 2475,1905 C13.1@2570,2000 2785,2000 2915,2130 U8.4@2915,2197.13 U8.2@2915,2460 ; U6.6@3210,457.44 U6.6@3213.39,454.06
  other v1: 2585,1845
5V: U2.3 Z3.2 | length 216.7
  Bottom Layer w50: Z3.2@505,845 555,845 650.55,940.55 ; U2.3@675.55,940.55 U2.3@682.13,940.55 U2.3@707.13,940.55
5VA: C3.1 C4.1 C14.1 C61.1 C62.1 C63.1 C64.1 C86.2 C87.2 pad.0@225,845 pad.3@440,2245 pad.13 U3.3 Z3.1 Z6.1 Z9.1 | length 8722.5
  Top Layer w50: pad.0@225,845 175,845 5,1015 5,1725 450,2170 pad.3@450,2235 ; C63.1@2540,25 2545,30 pad.13@2545,75 C64.1@2545,130
  Mid-Layer 1 w50: pad.0@225,845 265,845 325,785 325,435 475,285 2150,285 2225,210 2225,-5 2295,-75 2460,-75 2545,10 pad.13@2545,75
  Mid-Layer 2 w50: pad.3@435,2240 435,2210 515,2130 680,2130 910,2360 910,2715 1055,2860 1485,2860 1605,2740 v1(2215,2740)
  Bottom Layer w50: pad.0@245,845 Z3.1@345,845 ; pad.3@440,2245 440,2360 ; C14.1@440,2410 440,2360 ; U3.3@795,2575 750,2620 585,2620 480,2515 480,2400 440,2360 ; v1@2223.44,2740 2325,2740 Z6.1@2680,2740 ; pad.13@2545,85 Z9.1@2545,200
  other v1: 1065,260
5Vf: C25.1 C26.1 Q1.1 U13.9 Z9.2 | length 1030.1
  Top Layer w25: U13.9@1995,625 U13.9@1995,638.54 U13.9@1995,675 ; Q1.1@2410,455 Q1.1@2425,455
  Bottom Layer w25: C26.1@1953.46,715 1985,715 2030,670 2030,615 2010,595 v1(1980,595) 1965,595 1960,590 1960,570 1975,555 2160,555 2270,445 Q1.1@2410,445 ; Q1.1@2405,450 C25.1@2485,450 ; C25.1@2495,445 2550,390 Z9.2@2550,335
5VU: C9.1 C12.1 U8.3 Z6.2 | length 379.1
  Bottom Layer w25: Z6.2@2830,2740 2880,2740 2940,2680 2940,2556.1 3005.55,2490.55 U8.3@3005.55,2462.87
24V: C15.1 C24.1 D4.2 U3.2 | length 1301.2
  Bottom Layer w50: D4.2@110,615.55 110,1060 130,1080 ; 127.5,1082.5 300,1255 300,1505 425,1630 425,1665 ; 430,1665 430,1710 U3.2@485,1765
485A: J5.3 R17.1 | length 433.1
  Bottom Layer w20: J5.3@1330,-10 1330,175 1410,255 R17.1@1410,390
485B: J5.2 R40.1 | length 482.5
  Bottom Layer w20: J5.2@1180,-20 1180,105 1355,280 R40.1@1355,390
AVCC: C6.1 C38.1 C39.1 U1.13 U1.19 Z1.1 | length 565.1
  Top Layer w10: U1.13@1417.28,1370.94 v1(1501.34,1370.94) ; C38.1@1520,1150 1529.49,1159.49 U1.19@1529.49,1239.05 1529.49,1291.26 1617.75,1379.53 v1(1617.75,1394.53)
  Bottom Layer w20: C39.1@1472.75,1359.53 1484.17,1370.94 v1(1501.34,1370.94) 1574.17,1370.94 Z1.1@1637.75,1434.53
AVSS: C6.2 C38.2 C39.2 U1.12 U1.18 Z2.1 | length 682.4
  Top Layer w10: U1.12@1417.28,1390.63 1417.97,1389.94 1472.07,1389.94 1496.65,1414.53 v1(1522.75,1414.53) 1547.75,1389.53 1547.75,1349.53 1509.8,1311.57 U1.18@1509.8,1239.05 1509.8,1184.8 1500,1175 1455,1175 1440,1160 C38.2@1440,1150
  Bottom Layer w20: C39.2@1472.75,1429.53 1487.75,1414.53 v1(1522.75,1414.53) C6.2@1587.75,1479.53 1557.75,1509.53 Z2.1@1527.75,1509.53
EARTH: J3.1 J5.1 T1.1 T2.1 T3.1 T4.1 | length 10790.1
  Top Layer w20: T3.1@-8.15,3158.66 T3.1@0,3158.66 ; T3.1@30,3158.66 43.66,3158.66 T3.1@63.45,3158.66 ; T2.1@3227.8,3213.87 3265.92,3213.87 3274.06,3222.01 T2.1@3293.46,3241.4 T2.1@3399.46,3241.4 3435.33,3205.53 T2.1@3473.45,3205.53 ; T1.1@3295.73,-50.73 T1.1@3346.46,0 ; T1.1@3399.46,91.8 3421.8,91.8 3470,140 3470,3026.06
  Top Layer w25: T4.1@5,-75 T4.1@55,-125 ; T3.1@30,3158.66 T3.1@111.34,3240 ; T3.1@53,3241.4 T3.1@81.59,3270 ; T4.1@55,-135 3230,-135 ; 3235,-130 T1.1@3305,-60 ; T2.1@3256.06,3240 3274.06,3222.01 3303.03,3193.03 T2.1@3346.46,3149.61 3460,3036.06
  Top Layer w40: T3.1@0,3149.61 34.61,3149.61 T3.1@43.66,3158.66 ; 1025,-115 J5.1@1025,-5
  Bottom Layer w40: T3.1@0,3149.61 105.39,3255 3275,3255 T2.1@3310,3220 ; 1205,3250 1215,3240 J3.1@1215,3140